# Altium PCB Face_InMain1V0.PcbDoc (part 1 of 2) (continued)
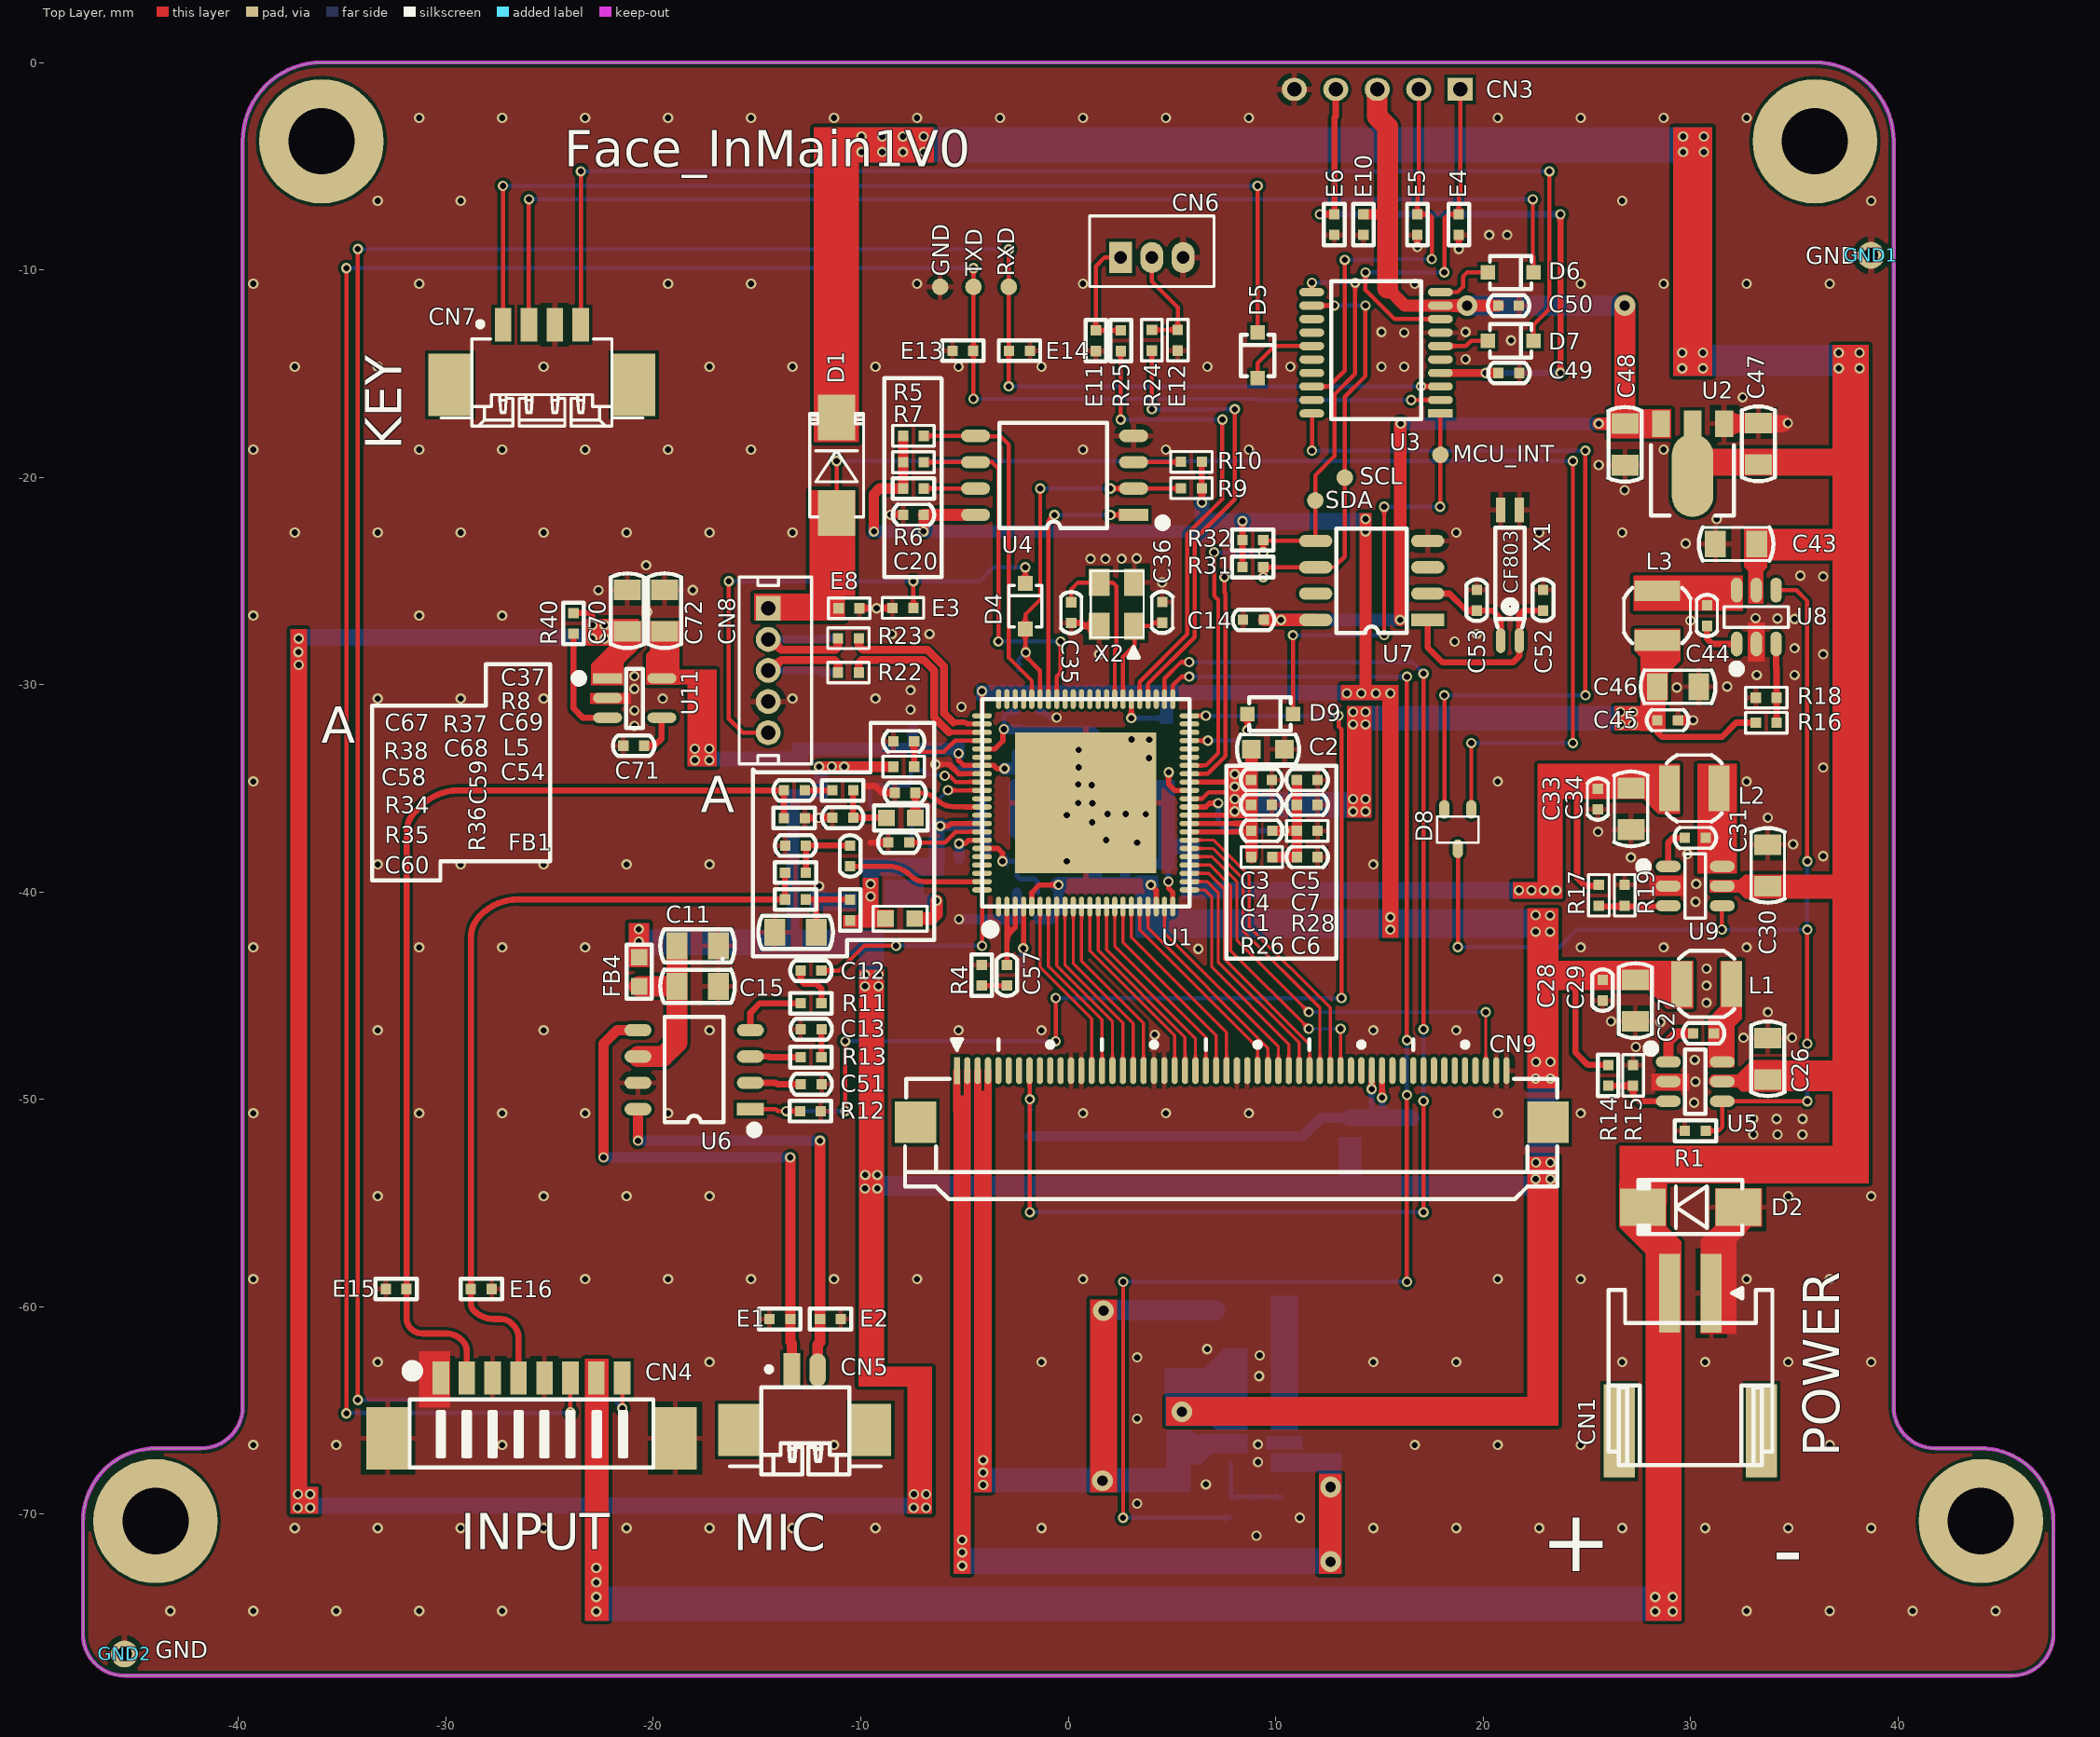
[diagram p0: Top Layer view]
## Components (designator, comment, footprint, x,y, rotation, side; value= is the part's Value field where it differs from the comment) (continued)
E13 "SFI0402-050E330NP-LF" R0402 -5.079,-13.9 r0 top
E14 "SFI0402-050E330NP-LF" R0402 -2.35,-13.9 r180 top
E15 "SLESDL0402-24" R0402 -32.4,-59.15 r0 top
E16 "SLESDL0402-24" R0402 -28.3,-59.15 r180 top
FB1 "FB_100R" R0603 -8.105,-41.291 r0 top
FB2 "NC/FB_100R" R0603 -1.755,-34.904 r180 bottom
FB3 "FB_100R" R0603 13.581,-51.591 r270 bottom
FB4 "FCM1608KF-101T06" R0603 -20.687,-43.851 r90 top
FB5 "FB_100R" R0603 -5.267,-39.121 r90 bottom
GND "Test Point" "Test Point" -6.177,-10.821 r270 top
GND1 "Test Point" "Test Pad" 38.7,-9.3 r270 top
GND2 "Test Point" "Test Pad" -45.501,-76.75 r90 top
L1 "4.7uH/1.1A" CD32 30.779,-44.44 r0 top
L2 "4.7uH/1.5A" CD32 30.183,-35.004 r0 top
L3 "4.7uH/1.1A" CD32 28.397,-26.674 r90 top
L4 "6.8uH/0.8A" CD32 9.264,-63.171 r180 bottom
L5 "8.2uH" R0603 -8.067,-36.435 r0 top
MCU_INT "Test Point" "Test Point" 17.946,-18.921 r180 top
R1 "47K" R0402 30.233,-51.521 r0 top
R2 "200K" R0402 -1.967,-40.033 r180 bottom
R4 "22R" R0402 -4.167,-44.018 r90 top
R5 "NC/4.7K" R0402 -7.46,-18.006 r0 top
R6 "NC/4.7K" R0402 -7.46,-20.546 r0 top
R7 "NC/4.7K" R0402 -7.46,-19.276 r0 top
R8 "10K" R0402 -7.929,-33.96 r180 top
R9 "NC/4.7K" R0402 5.94,-20.533 r180 top locked
R10 "NC/4.7K" R0402 5.94,-19.263 r180 top locked
R11 "30K" R0402 -12.397,-45.371 r0 top
R12 "10K" R0402 -12.43,-50.573 r180 top
R13 "30K" R0402 -12.397,-47.971 r0 top
R14 "52.3K 1%" R0402 26.033,-48.846 r270 top
R15 "11.5K 1%" R0402 27.239,-48.847 r90 top
R16 "47K" R0402 33.652,-31.841 r0 top
R17 "10K" R0402 25.583,-40.166 r270 top
R18 "15K 1%" R0402 33.652,-30.635 r180 top
R19 "11.5K 1%" R0402 26.833,-40.166 r90 top
R20 "47K" R0402 10.278,-69.67 r90 bottom
R21 "10R 1%" R0603 12.678,-66.77 r90 bottom
R22 "2.2R" R0402 -10.597,-29.421 r0 top
R23 "2.2R" R0402 -10.597,-27.767 r0 top
R24 "NC/100R" R0402 4.032,-13.396 r270 top
R25 "NC/100R" R0402 2.534,-13.421 r270 top
R26 "2.2K" R0402 9.333,-38.321 r0 top value=1K
R27 "47K" R0402 7.848,-69.679 r270 bottom
R28 "2.2K" R0402 11.52,-37.054 r0 top value=1K
R29 "10K" R0402 -1.85,-51.3 r90 bottom
R31 "2.2K" R0402 8.899,-24.335 r0 top
R32 "2.2K" R0402 8.899,-23.035 r0 top
R34 "220R" R0402 -13.149,-39.066 r0 top
R35 "4.3K" R0402 -13.152,-40.366 r0 top
R36 "2K" R0402 -10.511,-40.876 r90 top
R37 "330R" R0402 -10.867,-35.104 r180 top
R38 "75R 1%" R0402 -13.204,-36.438 r180 top
R39 "47K" R0402 -1.9,-29.3 r180 bottom
R40 "10K" R0402 -23.85,-27.05 r270 top
RXD "Test Point" "Test Point" -2.867,-10.821 r270 top
SCL "Test Point" "Test Point" 13.333,-20.021 r270 top
SDA "Test Point" "Test Point" 11.913,-21.121 r270 top
TXD "Test Point" "Test Point" -4.567,-10.821 r270 top
U1 "F1C200s-QFN88" "QFN88 10*10MM" 0.845,-35.704 r0 top locked
U2 "ME6210A33PG (SOT89-3)" SOT-89 30.102,-17.419 r180 top
U3 "N76E003AT20(TSSOP20)" SOP20 17.946,-16.927 r180 top
U4 "W25Q128JVSIQ" SOP8-208mil -0.657,-19.911 r90 top locked
U5 "JW5052S" TSOT23-6 30.233,-49.146 r0 top
U6 "NS4150" SOIC8 -18.034,-48.573 r90 top
U7 "BM8563ESA" SOP8 14.632,-25.429 r180 top
U8 "JW5052S" TSOT23-6 33.178,-26.745 r90 top
U9 "JW5052S" TSOT23-6 30.233,-39.721 r0 top
U10 "AP3032KTR-G1" SOT-23-6 9.134,-66.581 r180 bottom
U11 "RT9193-33GB" SOT-23-5 -20.9,-30.65 r0 top
U12 "ME6211A28M3G-N" SOT-23-3 -10.48,-40.236 r0 bottom
X1 "32.768KHz-12.5pF-20PPM" SMD-7015_4P 21.299,-24.734 r90 top
X2 "24MHz-12pF-10PPM" CRY-3225 2.343,-26.129 r270 top

## Footprints (in the part's own frame and the unit in brackets; to place one, negate y for a bottom-side part, rotate by r counter-clockwise, add the part's x,y. Pads: shape width x height; smd on the part's side, far side on the other; paste and mask are expansions set on the pad)
C0402 [mm]
  rect 0.5x0.5 smd: 1(-0.5,0) 2(0.5,0)
  silkscreen extent -1,-0.5 1,0.5, body extent -0.5,-0.3 0.5,0.3, height 0.2
C0603 [mm]
  rect 0.9x0.9 smd: 1(0,0) 2(-1.6,0)
  silkscreen extent -2.3,-0.71 0.7,0.71, body extent -1.6,-0.4 0,0.4, height 0.3
C0805 [mm]
  rect 1x1.3 smd: 1(1,0) 2(-1,0)
  silkscreen extent -1.8,-0.8 1.8,0.8, body extent -1,-0.62 1,0.63, height 0.78
CD32 [mm]
  rect 1x2.2 smd mask+0.05: 1(1.2,0) 2(-1.2,0)
  silkscreen extent -1.33,-1.6 1.33,1.6, body extent -1.65,-1.5 1.65,1.5, height 2.1
CRY-3225 [mm]
  rect 1.3x1 smd paste+0 mask+0.05: 1(1.05,0.85) 2(-1.05,0.85) 3(-1.05,-0.85) 4(1.05,-0.85)
  silkscreen extent -1.6,-1.25 2.56,1.3, body extent -1.6,-1.25 1.6,1.25, height 0.61
DO-214AC [mm]
  rect 2.2x1.8 smd: 1(2.3,0) 2(-2.3,0)
  silkscreen extent -2.5,-1.3 2.5,1.3, body extent -2.67,-1.39 2.81,1.41, height 2.24
FPC54_0.5_BOTTOM_Clamshell-1 [mm]
  rect 0.3x1.3 smd: 1(13.25,-1.25)
  oval 0.3x1.3 smd: 2(12.75,-1.25) 3(12.25,-1.25) 4(11.75,-1.25) 5(11.25,-1.25) 6(10.75,-1.25) 7(10.25,-1.25) 8(9.75,-1.25) 9(9.25,-1.25) 10(8.75,-1.25) 11(8.25,-1.25) 12(7.75,-1.25) 13(7.25,-1.25) 14(6.75,-1.25) 15(6.25,-1.25) 16(5.75,-1.25) 17(5.25,-1.25) 18(4.75,-1.25) 19(4.25,-1.25) 20(3.75,-1.25) 21(3.25,-1.25) 22(2.75,-1.25) 23(2.25,-1.25) 24(1.75,-1.25) 25(1.25,-1.25) 26(0.75,-1.25) 27(0.25,-1.25) 28(-0.25,-1.25) 29(-0.75,-1.25) 30(-1.25,-1.25) 31(-1.75,-1.25) 32(-2.25,-1.25) 33(-2.75,-1.25) 34(-3.25,-1.25) 35(-3.75,-1.25) 36(-4.25,-1.25) 37(-4.75,-1.25) 38(-5.25,-1.25) 39(-5.75,-1.25) 40(-6.25,-1.25) 41(-6.75,-1.25) 42(-7.25,-1.25) 43(-7.75,-1.25) 44(-8.25,-1.25) 45(-8.75,-1.25) 46(-9.25,-1.25) 47(-9.75,-1.25) 48(-10.25,-1.25) 49(-10.75,-1.25) 50(-11.25,-1.25) 51(-11.75,-1.25) 52(-12.25,-1.25) 53(-12.75,-1.25) 54(-13.25,-1.25)
  rect 2x2 smd: 55(15.25,1.25) 56(-15.25,1.25)
  silkscreen extent -15.7,-2.75 15.75,4.95, body extent -15.61,-1.55 15.61,4.56, height 2
HD1.5_3P [mm]
  rect 1.1x1.5 hole 0.6: 1(0,0)
  oval 1.1x1.5 hole 0.6: 2(1.5,0) 3(3,0)
  silkscreen extent -1.5,-1.4 4.5,2
HD2.0_5P [mm]
  rect 1.2x1.1 hole 0.7: 1(0,0)
  oval 1.2x1.1 hole 0.7: 2(2,0) 3(4,0) 4(6,0) 5(8,0)
HD5_1.5 [mm]
  rect 1.2x1.2 hole 0.7: 1(0,0)
  round 1.2 hole 0.7: 2(1.5,0) 3(3,0) 4(4.5,0) 5(6,0)
  silkscreen extent -1.5,-1.4 7.5,2.1
PH2.0_2P_SMD_SIDE [mm] "WAFER 2.0mm SIDE ENTRY SMT"
  rect 3.8x1 smd: 1(-2.95,1) 2(-2.95,-1)
  rect 4.5x1.5 smd: 3(3.7,-3.429) 4(3.7,3.429)
  silkscreen extent -3.2,-3.95 5.33,3.95, body extent -4.1,-3.95 4.5,3.95, height 5.5
"QFN88 10*10MM" [mm]
  oval 0.25x0.95 smd: 1(-4.2,-5) 2(-3.8,-5) 3(-3.4,-5) 4(-3,-5) 5(-2.6,-5) 6(-2.2,-5) 7(-1.8,-5) 8(-1.4,-5) 9(-1,-5) 10(-0.6,-5) 11(-0.2,-5) 12(0.2,-5) 13(0.6,-5) 14(1,-5) 15(1.4,-5) 16(1.8,-5) 17(2.2,-5) 18(2.6,-5) 19(3,-5) 20(3.4,-5) 21(3.8,-5) 22(4.2,-5) 45(4.2,5) 46(3.8,5) 47(3.4,5) 48(3,5) 49(2.6,5) 50(2.2,5) 51(1.8,5) 52(1.4,5) 53(1,5) 54(0.6,5) 55(0.2,5) 56(-0.2,5) 57(-0.6,5) 58(-1,5) 59(-1.4,5) 60(-1.8,5) 61(-2.2,5) 62(-2.6,5) 63(-3,5) 64(-3.4,5) 65(-3.8,5) 66(-4.2,5)
  oval 0.95x0.25 smd: 23(5,-4.2) 24(5,-3.8) 25(5,-3.4) 26(5,-3) 27(5,-2.6) 28(5,-2.2) 29(5,-1.8) 30(5,-1.4) 31(5,-1) 32(5,-0.6) 33(5,-0.2) 34(5,0.2) 35(5,0.6) 36(5,1) 37(5,1.4) 38(5,1.8) 39(5,2.2) 40(5,2.6) 41(5,3) 42(5,3.4) 43(5,3.8) 44(5,4.2) 67(-5,4.2) 68(-5,3.8) 69(-5,3.4) 70(-5,3) 71(-5,2.6) 72(-5,2.2) 73(-5,1.8) 74(-5,1.4) 75(-5,1) 76(-5,0.6) 77(-5,0.2) 78(-5,-0.2) 79(-5,-0.6) 80(-5,-1) 81(-5,-1.4) 82(-5,-1.8) 83(-5,-2.2) 84(-5,-2.6) 85(-5,-3) 86(-5,-3.4) 87(-5,-3.8) 88(-5,-4.2)
  rect 6.8x6.8 smd: 89(0,0)
  silkscreen extent -5,-6.3 5,5, body extent -5.01,-5.01 5.01,5.01, height 0.85
R0402 [mm]
  rect 0.5x0.5 smd: 1(0.5,0) 2(-0.5,0)
  silkscreen extent -1,-0.5 1,0.5, body extent -0.5,-0.25 0.5,0.25, height 0.35
R0603 [mm]
  rect 0.8x0.8 smd: 1(-0.7,0) 2(0.7,0)
  silkscreen extent -1.3,-0.6 1.3,0.6, body extent -0.85,-0.4 0.85,0.4, height 0.56
SH1.25_2P_SMD_SIDE [mm]
  rect 1.6x0.8 smd: 1(1.45,0.625)
  oval 1.6x0.8 smd: 2(1.45,-0.625)
  rect 2.5x2 smd: M1(-1.45,3.175) M2(-1.45,-3.175)
  silkscreen extent -3.6,-3.65 1.6,3.6, body extent -3.5,-3.85 1.8,3.8, height 3.4
SH1.25_4P_SMd_SIDE [mm] "WTB 1.25MM WAFER 90 DEGREE SMT"
  rect 0.8x1.6 smd: 1(2.55,2.9) 2(3.8,2.9) 3(5.05,2.9) 4(6.3,2.9)
  rect 2.1x3 smd: M1(0,0) M2(8.85,0)
  silkscreen extent -0.45,-1.99 9.3,3.05, body extent -0.63,-1.97 9.52,3.33, height 3.45
SH1.25_8P_SMD_SIDE [mm] "WAFER 1.25mm TOP ENTRY SMT"
  rect 0.8x1.6 smd: 1(0,0) 2(1.25,0) 3(2.5,0) 4(3.75,0) 5(5,0) 6(6.25,0) 7(7.5,0) 8(8.75,0)
  rect 2.1x3 smd: M1(-2.55,-2.9) M2(11.3,-2.9)
  silkscreen extent -1.5,-4.3 10.25,0.47, body extent -3.26,-5.02 11.89,0.28, height 3.5
SMD-7015_4P [mm]
  oval 1.2x0.45 smd: 1(-3.15,-0.45) 4(-3.15,0.45)
  rect 1.2x0.45 smd: 2(3.15,-0.45) 3(3.15,0.45)
  silkscreen extent -2.5,-0.7 2.3,0.7, body extent -3.4,-0.7 3.4,0.7, height 1.3
SOD-123FL [mm]
  rect 1x1.2 smd mask+0.05: 1(-1.7,0) 2(1.7,0)
  silkscreen extent -1.9,-1 1.9,1, body extent -1.41,-0.65 1.41,0.65, height 1.01
SOD-323 [mm]
  rect 0.7x0.7 smd: 1(-1.1,0) 2(1.1,0)
  silkscreen extent -1,-0.8 1,0.8, body extent -1.41,-0.65 1.41,0.65, height 1.01
SOIC8 [mm]
  rect 0.6x1.3 smd mask+0.05: 1(-1.905,-2.71)
  oval 0.6x1.3 smd mask+0.05: 2(-0.635,-2.71) 3(0.635,-2.71) 4(1.905,-2.71) 5(1.905,2.71) 6(0.635,2.71) 7(-0.635,2.71) 8(-1.905,2.71)
  silkscreen extent -3.1,-3.1 2.54,1.43, body extent -2.43,-3 2.47,3, height 1.75
SOP8 [mm]
  rect 1.6x0.6 smd: 1(-2.7,1.455)
  oval 1.6x0.6 smd: 2(-2.7,0.185) 3(-2.7,-1.085) 4(-2.7,-2.355) 5(2.7,-2.355) 6(2.7,-1.085) 7(2.7,0.185) 8(2.7,1.455)
  round 0.8 on Top Overlay: 12(-2.7,2.355)
  silkscreen extent -1.7,-2.95 1.7,2.09, body extent -3.01,-2.94 3.03,2.08, height 1.6
SOP8-208mil [mm]
  rect 0.6x1.4 smd mask+0.05: 1(-1.905,-3.81)
  oval 0.6x1.4 smd mask+0.05: 2(-0.635,-3.81) 3(0.635,-3.81) 4(1.905,-3.81) 5(1.905,3.81) 6(0.635,3.81) 7(-0.635,3.81) 8(-1.905,3.81)
  silkscreen extent -2.54,-5.41 2.54,2.67, body extent -2.74,-4.07 2.75,4.07, height 1.9
SOP20 [mm]
  round 0.8 on Top Overlay: 0(0,0.7)
  rect 1.2x0.4 smd: 1(0,0)
  oval 1.2x0.4 smd: 2(0,-0.65) 3(0,-1.3) 4(0,-1.95) 5(0,-2.6) 6(0,-3.25) 7(0,-3.9) 8(0,-4.55) 9(0,-5.2) 10(0,-5.85) 11(6.2,-5.85) 12(6.2,-5.2) 13(6.2,-4.55) 14(6.2,-3.9) 15(6.2,-3.25) 16(6.2,-2.6) 17(6.2,-1.95) 18(6.2,-1.3) 19(6.2,-0.65) 20(6.2,0)
  silkscreen extent 0.93,-6.37 5.26,0.27, body extent 0.01,-6.28 6.29,0.22, height 1.1
sot323 [mm]
  oval 0.5x0.9 smd: 1(0,0) 2(1.3,0) 3(0.65,1.9)
  silkscreen extent -0.35,0.35 1.65,1.6, body extent -0.4,-0.17 1.7,2.13, height 1
SOT-23-3 [mm]
  rect 0.6x1.5 smd: 1(0,0)
  oval 0.6x1.5 smd: 2(1.9,0) 3(0.95,2.64)
  silkscreen extent -0.48,1.05 2.38,1.58, body extent -0.49,-0.12 2.41,2.68, height 1.3
SOT-23-5 [mm]
  rect 1.4x0.5 smd: 1(-1.31,0.95)
  oval 1.4x0.5 smd: 2(-1.31,0) 3(-1.31,-0.95) 4(1.31,-0.95) 5(1.31,0.95)
  silkscreen extent -2.89,-1.45 0.39,1.4, body extent -1.25,-1.5 1.25,1.5, height 1.05
SOT-23-6 [mm]
  oval 1.2x0.55 smd: 1(-1.3,0.95) 2(-1.3,0) 3(-1.3,-0.95) 4(1.3,-0.95) 5(1.3,0) 6(1.3,0.95)
  silkscreen extent -2.61,-1.55 0.5,1.55, body extent -1.36,-1.46 1.44,1.44, height 1.45
SOT-89 [mil]
  rect 34x50 smd: 1(-60,0) 2(0,0) 3(60,0)
  oval 78.74x157.48 smd: 2(0,98.43)
  silkscreen extent -79,41 79,175, body extent -90,-11 91,156, height 70
"Test Pad" [mm]
  round 1.3 hole 0.7: 1(0,0)
"Test Point" [mm]
  round 0.8 smd mask+0: 1(0,0)
TSOT23-6 [mm]
  oval 1.2x0.55 smd: 1(-1.3,0.95) 2(-1.3,0) 3(-1.3,-0.95) 4(1.3,-0.95) 5(1.3,0) 6(1.3,0.95)
  silkscreen extent -2.34,-1.55 0.5,1.79, body extent -1.36,-1.46 1.44,1.44, height 1.45

## Part data
C1 C12 C13 C14 C18 C19 C20 C22 C23 C24 C25: library part Cap, "0.1uF  ±10% 16V X7R 0402 ROSH", LatestRevisionDate=17-Jul-2002, LatestRevisionNote="Re-released for DXP Platform.", PackageDescription="Radial Cap, Thru-Hole; 2 Leads; 0.3 in Pin Spacing", PackageReference=RAD-0.3, Published=8-Jun-2000, Publisher="Altium Limited"
C2 C10 C16 C21 C61: library part CAP, "4.7uF/16V 10% 0603 X7R ROHS"
C3 C4 C7 C54: library part Cap, "1uF/16V 10%  0402 X7R ROHS", LatestRevisionDate=17-Jul-2002, LatestRevisionNote="Re-released for DXP Platform.", PackageDescription="Radial Cap, Thru-Hole; 2 Leads; 0.3 in Pin Spacing", PackageReference=RAD-0.3, Published=8-Jun-2000, Publisher="Altium Limited"
C5 C6 C9 C27 C28 C31 C32 C33 C44 C45 C56 C57 C59: library part Cap, "0.1uF  ±10% 16V X7R 0402 ROHS", LatestRevisionDate=17-Jul-2002, LatestRevisionNote="Re-released for DXP Platform.", PackageDescription="Radial Cap, Thru-Hole; 2 Leads; 0.3 in Pin Spacing", PackageReference=RAD-0.3, Published=8-Jun-2000, Publisher="Altium Limited"
C11 C15 C60: library part CAP, "10uF/16V 10% 0805 X7R ROHS"
  C11 C15: 名称=贴片电容
C17 C55 C64 C66 C73: library part Cap, "4.7uF/16V 10% 0603 X7R ROHS", LatestRevisionDate=17-Jul-2002, LatestRevisionNote="Re-released for DXP Platform.", PackageDescription="Radial Cap, Thru-Hole; 2 Leads; 0.3 in Pin Spacing", PackageReference=RAD-0.3, Published=8-Jun-2000, Publisher="Altium Limited"
C26 C29 C30 C34 C38 C43 C46 C47 C48 C65 C70 C72: library part Cap, "10uF/16V 10% 0805 X7R ROHS", LatestRevisionDate=17-Jul-2002, LatestRevisionNote="Re-released for DXP Platform.", PackageDescription="Radial Cap, Thru-Hole; 2 Leads; 0.3 in Pin Spacing", PackageReference=RAD-0.3, Published=8-Jun-2000, Publisher="Altium Limited"
C35 C36 C52 C53: library part Cap, "12pF/6.3V 2% 0402 NPO ROHS", LatestRevisionDate=17-Jul-2002, LatestRevisionNote="Re-released for DXP Platform.", PackageDescription="Radial Cap, Thru-Hole; 2 Leads; 0.3 in Pin Spacing", PackageReference=RAD-0.3, Published=8-Jun-2000, Publisher="Altium Limited"
C37: library part Cap, "2.2uF/16V 10%  0402 X7R ROHS", LatestRevisionDate=17-Jul-2002, LatestRevisionNote="Re-released for DXP Platform.", PackageDescription="Radial Cap, Thru-Hole; 2 Leads; 0.3 in Pin Spacing", PackageReference=RAD-0.3, Published=8-Jun-2000, Publisher="Altium Limited"
C39: library part Cap, "1uF/50V 10% 0805 X7R ROHS", LatestRevisionDate=17-Jul-2002, LatestRevisionNote="Re-released for DXP Platform.", PackageDescription="Radial Cap, Thru-Hole; 2 Leads; 0.3 in Pin Spacing", PackageReference=RAD-0.3, Published=8-Jun-2000, Publisher="Altium Limited"
C40: library part "CAP NP_Dup1", "1uF/16V 10%  0402 X7R ROHS", C_Voltage=6.3V, Dielectric=X5R, Manufacturer=TDK, Manufacturer PN=C1005X5R0J104K050BA, Tolerance=10%, Created by=JJJ, Number=37, Part Type=C0402, Priority=A, RK PN=C1005X5R0J104K050BA, Voltage=6.3V
C41: library part "CAP NP_Dup1", "4.7uF/16V 10% 0603 X7R ROHS", C_Voltage=6.3V, Dielectric=X5R, Manufacturer=TDK, Manufacturer PN=C1005X5R0J104K050BA, Tolerance=10%, Created by=JJJ, Number=37, Part Type=C0402, Priority=A, RK PN=C1005X5R0J104K050BA, Voltage=6.3V
C42: library part "CAP NP_Dup1", "0.1uF  ±10% 16V X7R 0402 ROHS", C_Voltage=6.3V, Dielectric=X5R, Manufacturer=TDK, Manufacturer PN=C1005X5R0J104K050BA, Tolerance=10%, Created by=JJJ, Number=37, Part Type=C0402, Priority=A, RK PN=C1005X5R0J104K050BA, Voltage=6.3V
C49 C50: library part CAP, "0.1uF  ±10% 16V X7R 0402 ROHS", 名称=贴片电容
C51: library part CAP, "1uF ±10% 16V X7R 0402 ROSH", 名称=贴片电容
C58: library part Cap, "1nF  ±10% 16V X7R 0402 ROHS", LatestRevisionDate=17-Jul-2002, LatestRevisionNote="Re-released for DXP Platform.", PackageDescription="Radial Cap, Thru-Hole; 2 Leads; 0.3 in Pin Spacing", PackageReference=RAD-0.3, Published=8-Jun-2000, Publisher="Altium Limited"
C62: library part CAP, "100nF/16V 10% 0402 X7R ROHS"
C67: library part Cap, "100nF/16V 10% 0402 X7R ROHS", LatestRevisionDate=17-Jul-2002, LatestRevisionNote="Re-released for DXP Platform.", PackageDescription="Radial Cap, Thru-Hole; 2 Leads; 0.3 in Pin Spacing", PackageReference=RAD-0.3, Published=8-Jun-2000, Publisher="Altium Limited"
C68: library part Cap, "22pF/16V 10% 0402 X7R ROHS", LatestRevisionDate=17-Jul-2002, LatestRevisionNote="Re-released for DXP Platform.", PackageDescription="Radial Cap, Thru-Hole; 2 Leads; 0.3 in Pin Spacing", PackageReference=RAD-0.3, Published=8-Jun-2000, Publisher="Altium Limited"
C69: library part Cap, "47pF/16V 10% 0402 X7R ROHS", LatestRevisionDate=17-Jul-2002, LatestRevisionNote="Re-released for DXP Platform.", PackageDescription="Radial Cap, Thru-Hole; 2 Leads; 0.3 in Pin Spacing", PackageReference=RAD-0.3, Published=8-Jun-2000, Publisher="Altium Limited"
C71: library part Cap, "22nF/16V 10% 0402 X7R ROHS", LatestRevisionDate=17-Jul-2002, LatestRevisionNote="Re-released for DXP Platform.", PackageDescription="Radial Cap, Thru-Hole; 2 Leads; 0.3 in Pin Spacing", PackageReference=RAD-0.3, Published=8-Jun-2000, Publisher="Altium Limited"
CN1: library part "Header 2", "PHB2.0 2P 90", LatestRevisionDate=17-Jul-2002, LatestRevisionNote="Re-released for DXP Platform.", Publisher="Altium Limited"
CN3: library part Header5, "PH2.0-5P-DIP-180", name1=NC/PH2.0-5P-DIP-180, Parameter 1=PH2.0-5P-SMD-Top, Parameter 2=PH2.0-5P-SMD-Side, 名称=弯针插座, 物料编号=ECZ02035, 规格，型号="PH 2Pin 间距2.0mm DIP/90°"
CN4: library part "Header 8", "FPC8_0.5", LatestRevisionDate=17-Jul-2002, LatestRevisionNote="Re-released for DXP Platform.", Publisher="Altium Limited"
CN5: library part Header2, name1=PH2.0-2P-DIP-180, Parameter 1=SH1.25-2P-SMD-Top, Parameter 2=PH2.0-2P-SMD-Side, 名称=弯针插座, 物料编号=ECZ02035, 规格，型号="PH 2Pin 间距2.0mm DIP/90°"
CN6: library part Header3, "ZH1.5mm 3P", name1=NC/ZH1.5-3P-DIP-180, Parameter 1=PH2.0-3P-SMD-Top, Parameter 2=PH2.0-3P-SMD-Side, 名称=弯针插座, 物料编号=ECZ02035, 规格，型号="PH 2Pin 间距2.0mm DIP/90°"
CN7: library part Header4, name1=SH1.25-4P-SMD-Side, Parameter 1=PH2.0-4P-SMD-Top, Parameter 2=PH2.0-4P-SMD-Side, 名称=弯针插座, 物料编号=ECZ02035, 规格，型号="PH 2Pin 间距2.0mm DIP/90°"
CN8: library part "HEADER 5", "ZH1.5mm 5P"
CN9: library part CON54
D1 D2: library part "M2 (DO-214AC)"
  D1: 名称=贴片二极管, 物料编号=EEJ00001, 规格，型号="SS34 (DO-214AC)"
D3: library part D_0, Allegro PCB Footprint=d2513A
D4 D5 D6 D7 D9: library part 1N4500, "1N4148WS (SOD-323)"
D8: library part BAT54CW-KL7, 名称=贴片二极管, 物料编号=EEJ00007, 规格，型号="BAT54CW-KL7 (SOT323)"
E1 E2 E3 E4 E5 E6 E7 E8 E9 E10 E13 E14 E15 E16: library part VARISTOR
  E1 E2: Parameter 1=SFI0402
E11 E12: library part VARISTOR, "SFI0402-050E330NP-LF"
FB1 FB2 FB3 FB5: library part RESISTOR_Dup1, "FCM1608KF-101T06", Manufacturer=YAGEO, Manufacturer PN=RC0402JR-0722RL, Tolerance=5%, Created by=YTL, Part Type=Í¨ÓÃºñÄ¤µç×è, Priority=A, RK PN=RC0402JR-0722RL, Wattage=1/16W
FB4: library part INDUCTOR, Parameter 1="SWPA3012S4R7MT(4.7UH@1.24A DCR<0.12R)", Parameter 2="SWPA4018S4R7MT(4.7UH@1.2A DCR<0.1R)", Parameter 3="SWPA4020S2R2NT(2.2UH@1.85A DCR<0.1R)", Parameter 4="SWPA4030S4R7MT(4.7UH@1.2A DCR<0.1R)", 名称=贴片电感, 规格，型号=1uH
L1 L2 L3: library part Inductor, "SWPA3015S4R7MT(4.7uH@1.1A DCR<0.125R)"
L4: library part INDUCTOR_Dup1, "SWPA3015S6R8MT(6.8uH@0.85A DCR<0.200R)"
L5: library part Inductor, "SDFL1608S8R2KTF(8.2uH@5mA DCR<2.1R)"
R1 R16 R20 R39: library part RESISTOR_Dup1, "47K +/-1% 1/16W 0402 ROHS", Manufacturer=YAGEO, Manufacturer PN=RC0402JR-0722RL, Tolerance=5%, Created by=YTL, Part Type=Í¨ÓÃºñÄ¤µç×è, Priority=A, RK PN=RC0402JR-0722RL, Wattage=1/16W
R2: library part RESISTOR_Dup1, "200K +/-5% 1/16W 0402 ROHS", Manufacturer=YAGEO, Manufacturer PN=RC0402JR-0722RL, Tolerance=5%, Created by=YTL, Part Type=Í¨ÓÃºñÄ¤µç×è, Priority=A, RK PN=RC0402JR-0722RL, Wattage=1/16W
R4: library part RESISTOR_Dup1, "22R +/-5% 1/16W 0402 ROHS", Manufacturer=YAGEO, Manufacturer PN=RC0402JR-0722RL, Tolerance=5%, Created by=YTL, Part Type=Í¨ÓÃºñÄ¤µç×è, Priority=A, RK PN=RC0402JR-0722RL, Wattage=1/16W
R5 R6 R7 R9 R10: library part RESISTOR_Dup1, "4.7K +/-5% 1/16W 0402 ROHS", Manufacturer=YAGEO, Manufacturer PN=RC0402JR-0722RL, Tolerance=5%, Created by=YTL, Part Type=Í¨ÓÃºñÄ¤µç×è, Priority=A, RK PN=RC0402JR-0722RL, Wattage=1/16W
R8 R12 R17 R29: library part RESISTOR_Dup1, "10K +/-1% 1/16W 0402 ROHS", Manufacturer=YAGEO, Manufacturer PN=RC0402JR-0722RL, Tolerance=5%, Created by=YTL, Part Type=Í¨ÓÃºñÄ¤µç×è, Priority=A, RK PN=RC0402JR-0722RL, Wattage=1/16W
R11 R13: library part RESISTOR_Dup1, "30K +/-5% 1/16W 0402 ROHS", Manufacturer=YAGEO, Manufacturer PN=RC0402JR-0722RL, Tolerance=5%, Created by=YTL, Part Type=Í¨ÓÃºñÄ¤µç×è, Priority=A, RK PN=RC0402JR-0722RL, Wattage=1/16W
R14: library part RESISTOR_Dup1, "52.3K +/-1% 1/16W 0402 ROHS", Manufacturer=YAGEO, Manufacturer PN=RC0402JR-0722RL, Tolerance=5%, Created by=YTL, Part Type=Í¨ÓÃºñÄ¤µç×è, Priority=A, RK PN=RC0402JR-0722RL, Wattage=1/16W
R15 R19: library part RESISTOR_Dup1, "11.5K +/-1% 1/16W 0402 ROHS", Manufacturer=YAGEO, Manufacturer PN=RC0402JR-0722RL, Tolerance=5%, Created by=YTL, Part Type=Í¨ÓÃºñÄ¤µç×è, Priority=A, RK PN=RC0402JR-0722RL, Wattage=1/16W
R18: library part RESISTOR_Dup1, "15K +/-1% 1/16W 0402 ROHS", Manufacturer=YAGEO, Manufacturer PN=RC0402JR-0722RL, Tolerance=5%, Created by=YTL, Part Type=Í¨ÓÃºñÄ¤µç×è, Priority=A, RK PN=RC0402JR-0722RL, Wattage=1/16W
R21: library part RESISTOR_Dup1, "10R +/-1% 1/10W 0603 ROHS", Manufacturer=YAGEO, Manufacturer PN=RC0402JR-0722RL, Tolerance=5%, Created by=YTL, Part Type=Í¨ÓÃºñÄ¤µç×è, Priority=A, RK PN=RC0402JR-0722RL, Wattage=1/16W
R22 R23: library part RESISTOR_Dup1, "2.2R +/-5% 1/16W 0402 ROHS", Manufacturer=YAGEO, Manufacturer PN=RC0402JR-0722RL, Tolerance=5%, Created by=YTL, Part Type=Í¨ÓÃºñÄ¤µç×è, Priority=A, RK PN=RC0402JR-0722RL, Wattage=1/16W
R24 R25: library part RESISTOR_Dup1, "100R +/-5% 1/16W 0402 ROHS", Manufacturer=YAGEO, Manufacturer PN=RC0402JR-0722RL, Tolerance=5%, Created by=YTL, Part Type=Í¨ÓÃºñÄ¤µç×è, Priority=A, RK PN=RC0402JR-0722RL, Wattage=1/16W
R26 R28: library part "Res Semi", "2.2K +/-1% 1/16W 0402 ROHS", Published=8-Jun-2000, Publisher="Altium Limited", Revision="July-2002: Re-released for DXP Platform."
R27: library part RESISTOR_Dup2, "47K +/-1% 1/16W 0402 ROHS"
R31 R32: library part RESISTOR_Dup1, "2.2K +/-1% 1/16W 0402 ROHS", Manufacturer=YAGEO, Manufacturer PN=RC0402JR-0722RL, Tolerance=5%, Created by=YTL, Part Type=Í¨ÓÃºñÄ¤µç×è, Priority=A, RK PN=RC0402JR-0722RL, Wattage=1/16W
R34: library part RESISTOR_Dup1, "220R +/-1% 1/16W 0402 ROHS", Manufacturer=YAGEO, Manufacturer PN=RC0402JR-0722RL, Tolerance=5%, Created by=YTL, Part Type=Í¨ÓÃºñÄ¤µç×è, Priority=A, RK PN=RC0402JR-0722RL, Wattage=1/16W
R35: library part RESISTOR_Dup1, "4.3K +/-1% 1/16W 0402 ROHS", Manufacturer=YAGEO, Manufacturer PN=RC0402JR-0722RL, Tolerance=5%, Created by=YTL, Part Type=Í¨ÓÃºñÄ¤µç×è, Priority=A, RK PN=RC0402JR-0722RL, Wattage=1/16W
R36: library part RESISTOR_Dup1, "2K +/-1% 1/16W 0402 ROHS", Manufacturer=YAGEO, Manufacturer PN=RC0402JR-0722RL, Tolerance=5%, Created by=YTL, Part Type=Í¨ÓÃºñÄ¤µç×è, Priority=A, RK PN=RC0402JR-0722RL, Wattage=1/16W
R37: library part RESISTOR_Dup1, "330R +/-5% 1/16W 0402 ROHS", Manufacturer=YAGEO, Manufacturer PN=RC0402JR-0722RL, Tolerance=5%, Created by=YTL, Part Type=Í¨ÓÃºñÄ¤µç×è, Priority=A, RK PN=RC0402JR-0722RL, Wattage=1/16W
R38: library part RESISTOR_Dup1, "75R +/-1% 1/16W 0402 ROHS", Manufacturer=YAGEO, Manufacturer PN=RC0402JR-0722RL, Tolerance=5%, Created by=YTL, Part Type=Í¨ÓÃºñÄ¤µç×è, Priority=A, RK PN=RC0402JR-0722RL, Wattage=1/16W
R40: library part RES, "10K +/-1% 1/16W 0402 ROHS", Parameter 1="0R 5% 1/10W 0603 RoHS", Parameter 2="0R 5% 1/8W 0805 RoHS", Parameter 3="0.25R 1% 1/4W 1206 ROHS", Parameter 4="0.25R 1% 1/2W 1812 ROHS", Parameter 5="0R 1% 1/16W 0402 RoHS", 名称=贴片电阻
U1: library part F1C200S
U2: library part HT7333
U3: library part N76E003AT20, "IC", 名称=IC, 物料编号=EIC00048, 规格，型号="STM8S003F3 (TSSOP20)"
U4: library part 25Q128
U5 U8 U9: "JW5052S(3.7V~18V/2A  Sync. Step-Down Converter)"
U6: library part HT6871, "NS4150 (SOIC8)", 名称=IC, 物料编号=EIC00042, 规格，型号="HT6871 (SOP-8L)"
U7: library part PCF8563T, "PCF8563T (SOP-8) OR BM8563ESA(SOP8)"
U10: library part AP3031_0, "AP3032KTR-G1  (SOT-23-6)"
U11: "RT9193-33GB (SOT23-5)"
U12: library part Voltage_Regulator, "ME6211A12M3G-N (SOT-23-3)"
X1: library part XTAL, "贴片无源晶振/SSP-T7-F 32.768kHz 20PPM 12.5p 编带"
X2: library part CRYSTAL-4_0, "贴片无源晶振/YSX321SL 24MHZ 10PF 10PPM -40~+85 袋装", Part Number=7M24000004, SPREADWIN PN=U3000019A, Vendor=TXC

## Free pads (board coordinates)
  round 6 hole 3.2: 1(-44,-70.344) 1(-36.001,-3.8) 1(35.999,-3.8) 1(44,-70.343)

## Via types
v1: diameter 0.5, hole 0.3, Top Layer to Bottom Layer, tented both sides, 513 vias
v2: diameter 1, hole 0.5, Top Layer to Bottom Layer, tented both sides, 7 vias

## Nets (pads, with @x,y where several pads share a name; then routed paths per layer and width w, separated by ;. In a path a pad name is that pad's centre, name@x,y a point inside that pad or via, vN(x,y) a via of type N, cw(c..) or ccw(c..) an arc to the next point about the centre after c; other vN are vias at no path point)
1V1_SW: C31.2 L2.1 U9.6
2V5_SW: C44.1 L3.1 U8.6
3V3_SW: C27.1 L1.1 U5.6
AGND: FB5.2 U1.82 | length 1.9
  Top Layer w0.25: v1(-5.267,-37.671) -4.967,-37.671 -4.8,-37.504 U1.82@-4.155,-37.504
  Bottom Layer w0.5: FB5.2@-5.267,-38.421 v1(-5.267,-37.671)
AVCC: C9.2 C10.1 FB1.1 R36.2 U1.80 | length 6.8
  Top Layer w0.25: v1(-6.167,-36.821) -5.767,-36.821 -5.65,-36.704 U1.80@-4.155,-36.704
  Bottom Layer w0.5: v1(-6.167,-36.821) -4.155,-36.821 ; C10.1@-4.155,-35.621 -4.155,-36.821 ; C9.2@-3.967,-38.221 -3.967,-37.209 -4.155,-37.021 -4.155,-36.821
  other v1: -9.53,-40.221 -9.53,-39.621
CVBS: C67.2 CN4.2 E15.1 R38.1 | length 49
  Top Layer w0.3: CN4.2@-29,-63.45 -29,-62.15 ccw(c-29.724,-62.15) -29.212,-61.638 -29.25,-61.6 ccw(c-29.974,-62.324) -29.974,-61.3 -31.096,-61.3 cw(c-31.096,-60.446) -31.701,-61.049 cw(c-31.217,-60.567) -31.9,-60.567 E15.1@-31.9,-59.15 -31.9,-37.116 cw(c-30.534,-37.116) -31.5,-36.15 -31.198,-35.848 cw(c-29.402,-37.644) -29.402,-35.104 C67.2@-13.704,-35.104 R38.1@-13.704,-36.438
Debug_RX: CN6.1 E11.1 R25.2 | length 5.7
  Top Layer w0.2: R25.2@2.534,-12.921 E11.1@1.333,-12.921 1.333,-9.826 1.751,-9.408 CN6.1@2.534,-9.408
Debug_TX: CN6.2 E12.1 R24.2 | length 5.3
  Top Layer w0.2: R24.2@4.032,-12.896 E12.1@5.282,-12.896 5.282,-11.807 4.034,-10.56 CN6.2@4.034,-9.408
DISP: CN9.7
DRAM-REF-AP: C1.1 C5.2 C6.2 C7.2 R26.1 R28.2 U1.33 | length 11.8
  Top Layer w0.25: U1.33@5.845,-35.904 6.633,-35.904 6.816,-35.721 v1(7.233,-35.721)
  Top Layer w0.5: R26.1@9.833,-38.321 C6.2@11.023,-38.321 C5.2@11.023,-34.607 ; C1.1@9.834,-37.053 v1(10.426,-37.053) R28.2@11.019,-37.053
  Bottom Layer w0.25: v1(7.233,-35.721) 7.233,-36.654 7.632,-37.053 v1(10.426,-37.053)
GND: C2.2 C3.1 C4.1 C5.1 C6.1 C7.1 C9.1 C10.2 C11.2 C13.2 C14.1 C15.2 C16.2 C17.1 C18.1 C19.1 C20.1 C21.2 C22.1 C23.1 C24.1 C25.1 C26.1 C28.2 C29.1 C30.1 C32.1 C33.2 C34.1 C35.2 C36.1 C37.1 C38.1 C39.1 C40.2 C41.2 C42.2 C43.1 C45.2 C46.1 C47.1 C48.1 C49.2 C50.1 C51.2 C52.2 C53.2 C54.1 C55.1 C56.1 C58.2 C60.2 C61.2 C62.2 C64.1 C66.1 C68.2 C69.2 C70.1 C71.1 C72.1 C73.1 CN1.1 CN3.5 CN4.1 CN4.3 CN4.5 CN4.M1 CN4.M2 CN6.3 CN7.3 CN8.4 CN9.12 CN9.13 CN9.20 CN9.21 CN9.28 CN9.29 CN9.53 CN9.54 D2.1 E1.2 E2.2 E3.2 E4.2 E5.2 E6.2 E7.2 E8.2 E9.2 E10.2 E11.2 E12.2 E13.2 E14.2 E15.2 E16.2 FB5.1 GND1.1 GND2.1 GND.1 R1.2 R2.1 R4.1 R12.2 R15.1 R18.1 R19.1 R20.2 R21.2 R28.1 R38.2 R39.2 U1.74 U1.89 U2.1 U3.7 U4.4 U5.2 U6.7 U7.4 U8.2 U9.2 U10.2 U11.2 U12.1 X1.2 X1.3 X2.2 X2.4 | length 25.5
  Top Layer w0.25: v1(-6.4,-33.85) -5.741,-33.85 -5.287,-34.304 U1.74@-4.155,-34.304 ; v1(16.833,-8.9) E5.2@16.833,-8.321 ; v1(18.833,-9) E4.2@18.833,-8.321
  Top Layer w0.3: R38.2@-12.696,-36.43 v1(-12.036,-36.43) C68.2@-11.375,-36.43 ; E8.2@-10.059,-26.313 E3.2@-8.474,-26.313 ; -9.667,-34.892 -9.296,-34.892 -8.967,-35.221 C69.2@-8.367,-35.221 ; -9.53,-37.621 C54.1@-8.667,-37.621 ; v1(-8.567,-21.811) C20.1@-7.96,-21.811 ; C35.2@0.143,-27.029 0.641,-27.029 0.791,-27.179 X2.4@1.493,-27.179
  Top Layer w0.5: C45.2@29.402,-31.721 v1(30.133,-31.721)
  Top Layer w0.8: U2.1@31.626,-17.419 v1@34.496,-17.419
  Bottom Layer w0.25: v1(-6.4,-33.85) -5.65,-33.85 -5.479,-34.021 C10.2@-4.155,-34.021 ; C18.1@-1.467,-31.321 -1.137,-31.321 -0.868,-31.59 v1(-0.555,-31.59) ; C25.1@2.733,-37.621 v1(3.32,-37.621) C19.1@3.908,-37.621
  Bottom Layer w0.5: C61.2@-12.009,-40.476 v1(-12.009,-39.721) ; v1(-5.266,-41.321) C22.1@-2.466,-41.321 -2.467,-41.32 R2.1@-2.467,-40.033 ; C55.1@-0.867,-38.521 v1(-0.067,-38.521) ; C21.2@-0.85,-36.304 v1(-0.067,-36.304)
  other v1: -43.29,-74.675 -39.29,-74.675 -35.29,-74.675 -31.29,-74.675 -27.29,-74.675 32.71,-74.675 36.71,-74.675 40.71,-74.675 44.71,-74.675 9.078,-71.05 -37.29,-70.675 -33.29,-70.675 -29.29,-70.675 -25.29,-70.675 -21.29,-70.675 -17.29,-70.675 -13.29,-70.675 -9.29,-70.675 -1.29,-70.675 14.71,-70.675 18.71,-70.675 22.71,-70.675 26.71,-70.675 30.71,-70.675 34.71,-70.675 38.71,-70.675 11.163,-70.182 3.32,-69.5 6.638,-68.569 9.15,-67.5 -39.29,-66.675 -35.29,-66.675 -27.29,-66.675 -11.29,-66.675 16.71,-66.675 20.71,-66.675 24.71,-66.675 36.71,-66.675 9.15,-66.65 3.32,-65.4 9.205,-63.35 -33.29,-62.675 -17.29,-62.675 -1.29,-62.675 14.71,-62.675 18.71,-62.675 26.71,-62.675 30.71,-62.675 34.71,-62.675 38.71,-62.675 3.32,-62.45 9.233,-62.35 6.7,-62.05 -39.29,-58.675 -23.29,-58.675 -19.29,-58.675 -15.29,-58.675 -11.29,-58.675 -7.29,-58.675 0.71,-58.675 20.71,-58.675 24.71,-58.675 32.71,-58.675 36.71,-58.675 -33.29,-54.675 -25.29,-54.675 -21.29,-54.675 -17.29,-54.675 34.71,-54.675 38.71,-54.675 33.034,-51.7 34.2,-51.7 35.4,-51.7 33.025,-50.95 34.15,-50.95 35.406,-50.95 -39.29,-50.675 -31.29,-50.675 -27.29,-50.675 -23.29,-50.675 -19.29,-50.675 0.71,-50.675 4.71,-50.675 8.71,-50.675 20.71,-50.675 24.71,-50.675 30.172,-50.164 30.246,-49.15 30.207,-48.1 27.366,-47.477 32.56,-47.033 34.9,-47.029 4.171,-46.889 -33.29,-46.675 -25.29,-46.675 -17.29,-46.675 -5.29,-46.675 -1.29,-46.675 14.71,-46.675 18.71,-46.675 28.55,-46.276 26.171,-46.245 33.733,-45.8 30.775,-45.35 30.775,-44.518 30.775,-43.7 6.275,-42.75 -39.29,-42.675 -31.29,-42.675 -27.29,-42.675 -23.29,-42.675 24.71,-42.675 28.71,-42.675 32.71,-42.675 30.25,-40.476 30.275,-39.621 -33.29,-38.675 -29.29,-38.675 -25.29,-38.675 -21.29,-38.675 -17.29,-38.675 14.71,-38.675 27.133,-38.338 36.4,-38.277 29.85,-38.171 34.95,-37.7 1.833,-37.504 25.546,-37.104 1.152,-36.65 33.733,-36.425 3.744,-36.25 1.9,-36.242 2.777,-36.242 0.477,-35.721 1.164,-35.725 1.134,-34.85 0.475,-34.821 -39.29,-34.675 -31.29,-34.675 20.71,-34.675 32.71,-34.675 0.507,-33.992 36.4,-34 3.9,-33.55 0.507,-33.15 3.055,-32.65 3.908,-32.665 -20.914,-31.992 -20.914,-31.25 -7.6,-31.206 -5.15,-31.074 -33.29,-30.675 -29.29,-30.675 -25.29,-30.675 -19.55,-30.675 -13.29,-30.675 -9.29,-30.675 -7.6,-30.274 -20.914,-30.212 29.341,-30.145 31.772,-30.1 -20.914,-29.6 33.2,-29.542 35.022,-29.542 1.493,-28.54 36.4,-28.54 35.022,-28.25 18.633,-27.932 -8.5,-27.564 -6.685,-27.564 19.699,-27.564 29.997,-26.921 35.022,-26.838 33.141,-26.8 34.2,-26.818 -39.29,-26.675 -31.29,-26.675 -27.29,-26.675 -20.3,-26.497 -9.236,-26.321 -22.654,-25.45 -18.1,-25.445 4.525,-25.079 36.4,-24.791 35.3,-24.75 -20.35,-24.25 1.078,-23.936 1.794,-23.936 2.577,-23.936 3.3,-23.92 29.772,-23.2 -37.29,-22.675 -33.29,-22.675 -29.29,-22.675 -25.29,-22.675 -21.29,-22.675 -17.29,-22.675 -13.29,-22.675 18.71,-22.675 22.71,-22.675 26.71,-22.675 31.263,-22.021 26.827,-20.63 25.583,-19.417 -39.29,-18.675 -31.29,-18.675 -27.29,-18.675 -23.29,-18.675 -19.29,-18.675 -15.29,-18.675 0.71,-18.675 4.71,-18.675 8.71,-18.675 28.71,-18.675 34.7,-17.391 32.518,-16.15 -37.29,-14.675 -33.29,-14.675 -25.29,-14.675 -17.29,-14.675 -13.29,-14.675 -9.29,-14.675 -5.29,-14.675 -1.29,-14.675 6.71,-14.675 10.71,-14.675 15.106,-14.671 16.2,-14.671 19.161,-14.314 21.35,-13.4 16.2,-13.027 15.106,-13 19.161,-13 -39.29,-10.675 -31.29,-10.675 -19.29,-10.675 -15.29,-10.675 -7.29,-10.675 0.71,-10.675 16.71,-10.675 24.71,-10.675 28.71,-10.675 32.71,-10.675 36.71,-10.675 20.3,-8.321 21.168,-8.321 -33.29,-6.675 -29.29,-6.675 26.71,-6.675 38.71,-6.675 -31.29,-2.675 -27.29,-2.675 -23.29,-2.675 -19.29,-2.675 -15.29,-2.675 -11.29,-2.675 -7.29,-2.675 -3.29,-2.675 0.71,-2.675 4.71,-2.675 8.71,-2.675 20.71,-2.675 24.71,-2.675 28.71,-2.675 32.71,-2.675
HOLD: R6.1 U4.7 | length 2.5
  Top Layer w0.2: R6.1@-6.96,-20.546 U4.7@-4.467,-20.546
HPCOM: C57.2 U1.2 U1.3 | length 4.4
  Top Layer w0.25: C57.2@-2.955,-43.518 -2.955,-42.114 ; U1.2@-2.955,-40.704 -2.955,-42.114 ; U1.3@-2.555,-40.704 -2.555,-41.714 -2.955,-42.114
HPR: C12.2 U1.88 | length 10.9
  Top Layer w0.2: C12.2@-11.9,-43.8 -11.04,-43.8 -9.84,-42.6 v1(-8.3,-42.6) ; v1(-4.15,-42.6) U1.88@-4.15,-39.909
  Bottom Layer w0.2: v1(-8.3,-42.6) v1(-4.15,-42.6)
HPVCC: C17.2 U1.4 | length 2.8
  Top Layer w0.25: v1@-2.155,-42.709 U1.4@-2.155,-40.704
  Bottom Layer w0.25: C17.2@-2.167,-43.501 v1(-2.167,-42.721)
ICPCK: CN3.2 E5.1 U3.18 | length 20.3
  Top Layer w0.2: U3.18@11.746,-15.627 12.571,-15.627 13.333,-14.865 v1(13.333,-9.521) ; E5.1@16.833,-7.321 16.833,-6.417 16.9,-6.35 CN3.2@16.9,-1.3 ; E5.1@16.836,-7.324 17.383,-7.324 17.533,-7.474 v1(17.533,-9.481)
  Bottom Layer w0.2: v1(13.333,-9.521) 15.533,-9.521 15.573,-9.481 v1(17.533,-9.481)
ICPDA: CN3.1 E4.1 U3.8 | length 18.3
  Top Layer w0.2: v1(14.333,-10.126) 14.333,-10.977 15.733,-12.377 U3.8@17.946,-12.377 ; v1(18.133,-10.121) 18.133,-7.521 18.333,-7.321 E4.1@18.833,-7.321 18.833,-6.4 18.9,-6.333 CN3.1@18.9,-1.3
  Bottom Layer w0.2: v1@14.337,-10.121 v1(18.133,-10.121)
LCD_BL_EN: R27.1 U1.45 | length 71.6
  Top Layer w0.2: v1@2.65,-70.182 v1(2.65,-58.8) ; U1.45@5.045,-30.704 5.045,-30.036 5.46,-29.621 v1(5.833,-29.621) ; v1(16.332,-58.8) v1(16.332,-49.8) ; v1(16.332,-47.15) v1@16.332,-29.622
  Bottom Layer w0.2: v1(2.645,-70.182) R27.1@7.844,-70.182 ; v1(2.65,-58.8) v1(16.332,-58.8) ; v1(5.833,-29.621) v1(16.333,-29.621) ; v1(16.332,-49.8) v1(16.332,-47.15)
LCD_CLK: CN9.38 U1.26 | length 14.4
  Top Layer w0.15: U1.26@5.845,-38.704 6.833,-38.704 7.833,-39.704 7.833,-42.833 v1(11.6,-46.6) ; CN9.38@13.134,-48.616 v1(13.134,-46.6)
  Bottom Layer w0.15: v1(11.6,-46.6) v1(13.134,-46.6)
LCD_D2: CN9.14 U1.6 | length 8.9
  Top Layer w0.15: U1.6@-1.355,-40.704 -1.355,-43.633 1.134,-46.123 CN9.14@1.134,-48.616
LCD_D3: CN9.15 U1.7 | length 9
  Top Layer w0.15: U1.7@-0.955,-40.704 -0.955,-43.585 1.634,-46.174 CN9.15@1.634,-48.616
LCD_D4: CN9.16 U1.8 | length 9
  Top Layer w0.15: U1.8@-0.555,-40.704 -0.555,-43.558 2.134,-46.247 CN9.16@2.134,-48.616
LCD_D5: CN9.17 U1.9 | length 9.1
  Top Layer w0.15: U1.9@-0.155,-40.704 -0.155,-43.533 2.634,-46.323 CN9.17@2.634,-48.616
LCD_D6: CN9.18 U1.10 | length 9.1
  Top Layer w0.15: U1.10@0.245,-40.704 0.245,-43.452 3.134,-46.341 CN9.18@3.134,-48.616
LCD_D7: CN9.19 U1.11 | length 9.1
  Top Layer w0.15: U1.11@0.645,-40.704 0.645,-43.333 3.634,-46.323 CN9.19@3.634,-48.616
LCD_D10: CN9.22 U1.12 | length 9.6
  Top Layer w0.15: U1.12@1.045,-40.704 1.045,-42.845 5.134,-46.934 CN9.22@5.134,-48.616
LCD_D11: CN9.23 U1.13 | length 9.6
  Top Layer w0.15: U1.13@1.445,-40.704 1.445,-42.821 5.634,-47.01 CN9.23@5.634,-48.616
LCD_D12: CN9.24 U1.14 | length 9.7
  Top Layer w0.15: U1.14@1.845,-40.704 1.845,-42.796 6.134,-47.086 CN9.24@6.134,-48.616
LCD_D13: CN9.25 U1.15 | length 9.7
  Top Layer w0.15: U1.15@2.245,-40.704 2.245,-42.622 6.634,-47.011 CN9.25@6.634,-48.616
LCD_D14: CN9.26 U1.16 | length 9.8
  Top Layer w0.15: U1.16@2.645,-40.704 2.645,-42.432 7.134,-46.921 CN9.26@7.134,-48.616
LCD_D15: CN9.27 U1.17 | length 9.8
  Top Layer w0.15: U1.17@3.045,-40.704 3.045,-42.183 7.634,-46.773 CN9.27@7.634,-48.616
LCD_D18: CN9.30 U1.18 | length 10.3
  Top Layer w0.15: U1.18@3.445,-40.704 3.445,-41.821 9.134,-47.511 CN9.30@9.134,-48.616
LCD_D19: CN9.31 U1.19 | length 10.3
  Top Layer w0.15: U1.19@3.845,-40.704 3.845,-41.733 9.634,-47.523 CN9.31@9.634,-48.616
LCD_D20: CN9.32 U1.21 | length 10.2
  Top Layer w0.15: U1.21@4.645,-40.704 4.645,-41.985 10.134,-47.474 CN9.32@10.134,-48.616
LCD_D21: CN9.33 U1.23 | length 11.1
  Top Layer w0.15: U1.23@5.845,-39.904 6.566,-39.904 6.922,-40.26 6.922,-43.63 10.634,-47.343 CN9.33@10.634,-48.616
LCD_D22: CN9.34 U1.24 | length 11.8
  Top Layer w0.15: U1.24@5.845,-39.504 6.705,-39.504 7.233,-40.033 7.233,-43.373 11.134,-47.274 CN9.34@11.134,-48.616
LCD_D23: CN9.35 U1.25 | length 12.4
  Top Layer w0.15: U1.25@5.845,-39.104 6.766,-39.104 7.533,-39.871 7.533,-43.243 11.634,-47.344 CN9.35@11.634,-48.616
LCD_DE: CN9.52 U1.27 | length 21.9
  Top Layer w0.15: U1.27@5.845,-38.304 6.922,-38.304 8.133,-39.516 8.133,-42.333 v1(11.6,-45.8) ; CN9.52@20.134,-48.616 v1(20.134,-45.8)
  Bottom Layer w0.15: v1(11.6,-45.8) v1(20.134,-45.8)
LCD_HSYNC: CN9.36 U1.28 | length 14
  Top Layer w0.15: U1.28@5.845,-37.904 6.966,-37.904 8.433,-39.371 8.433,-41.889 12.134,-45.59 CN9.36@12.134,-48.616
LCD_RST: CN9.8 R29.1 U1.46 | length 66.6
  Top Layer w0.2: CN9.8@-1.866,-48.616 -1.866,-49.411 -1.85,-49.427 v1(-1.85,-50) v1(-1.85,-55.45) ; U1.46@4.645,-30.704 4.645,-29.709 5.433,-28.921 v1(5.833,-28.921) ; v1(17.134,-55.45) v1(17.134,-50.084) ; v1(17.134,-46.621) v1(17.134,-29.474)
  Bottom Layer w0.2: v1(-1.85,-55.45) v1(17.134,-55.45) ; R29.1@-1.85,-50.8 v1(-1.85,-50) ; v1(5.833,-28.921) 16.581,-28.921 v1(17.134,-29.474) ; v1(17.134,-50.084) v1(17.134,-46.621)
LCD_VSYNC: CN9.37 U1.29 | length 14.6
  Top Layer w0.15: U1.29@5.845,-37.504 7.016,-37.504 8.733,-39.221 8.733,-41.684 12.634,-45.586 CN9.37@12.634,-48.616
LED+: C39.2 CN9.3 CN9.4 D3.2 U10.5 | length 8.3
  Top Layer w0.35: -4.366,-50.023 CN9.3@-4.366,-48.616 ; -3.867,-50.022 CN9.4@-3.867,-48.617
  Bottom Layer w1: v2@1.55,-60.171 D3.2@7.078,-60.171
  other v1: -4.1,-68.6 -4.1,-68 -4.1,-67.4
  other v2: 1.65,-68.4 1.7,-60.2
LED-: CN9.1 CN9.2 R21.1 U10.3 | length 4.1
  Top Layer w0.35: CN9.1@-5.366,-48.616 -5.366,-50.584 -4.866,-50.084 CN9.2@-4.866,-48.616
  other v1: -5.116,-72.5 -5.116,-71.85 -5.116,-71.25
  other v2: 12.65,-72.3 12.65,-68.7
Lock: CN7.2 D6.2 | length 58
  Top Layer w0.2: CN7.2@-26,-12.65 v1(-26,-6.6) ; v1(22.4,-6.6) 22.4,-9.35 22.433,-9.383 D6.2@22.433,-10.126
  Bottom Layer w0.2: v1(-26,-6.6) v1(22.4,-6.6)
Lock_IN: D6.1 U3.10 | length 3
  Top Layer w0.2: U3.10@17.946,-11.077 18.771,-11.077 19.033,-10.815 19.033,-10.323 19.23,-10.126 D6.1@20.233,-10.126
LS+: CN5.1 E1.1 U6.5 | length 26.7
  Top Layer w0.5: v1(-22.4,-52.8) -22.4,-47.321 -21.746,-46.668 U6.5@-20.744,-46.668 ; v1(-13.404,-52.8) -13.4,-52.804 E1.1@-13.4,-60.6 -13.4,-61.7 -13.329,-61.771 CN5.1@-13.329,-63.05
  Bottom Layer w0.5: v1(-22.4,-52.8) v1(-13.404,-52.8)